# KiCad board Sound_Detection Bullet Shot-v2.kicad_pcb
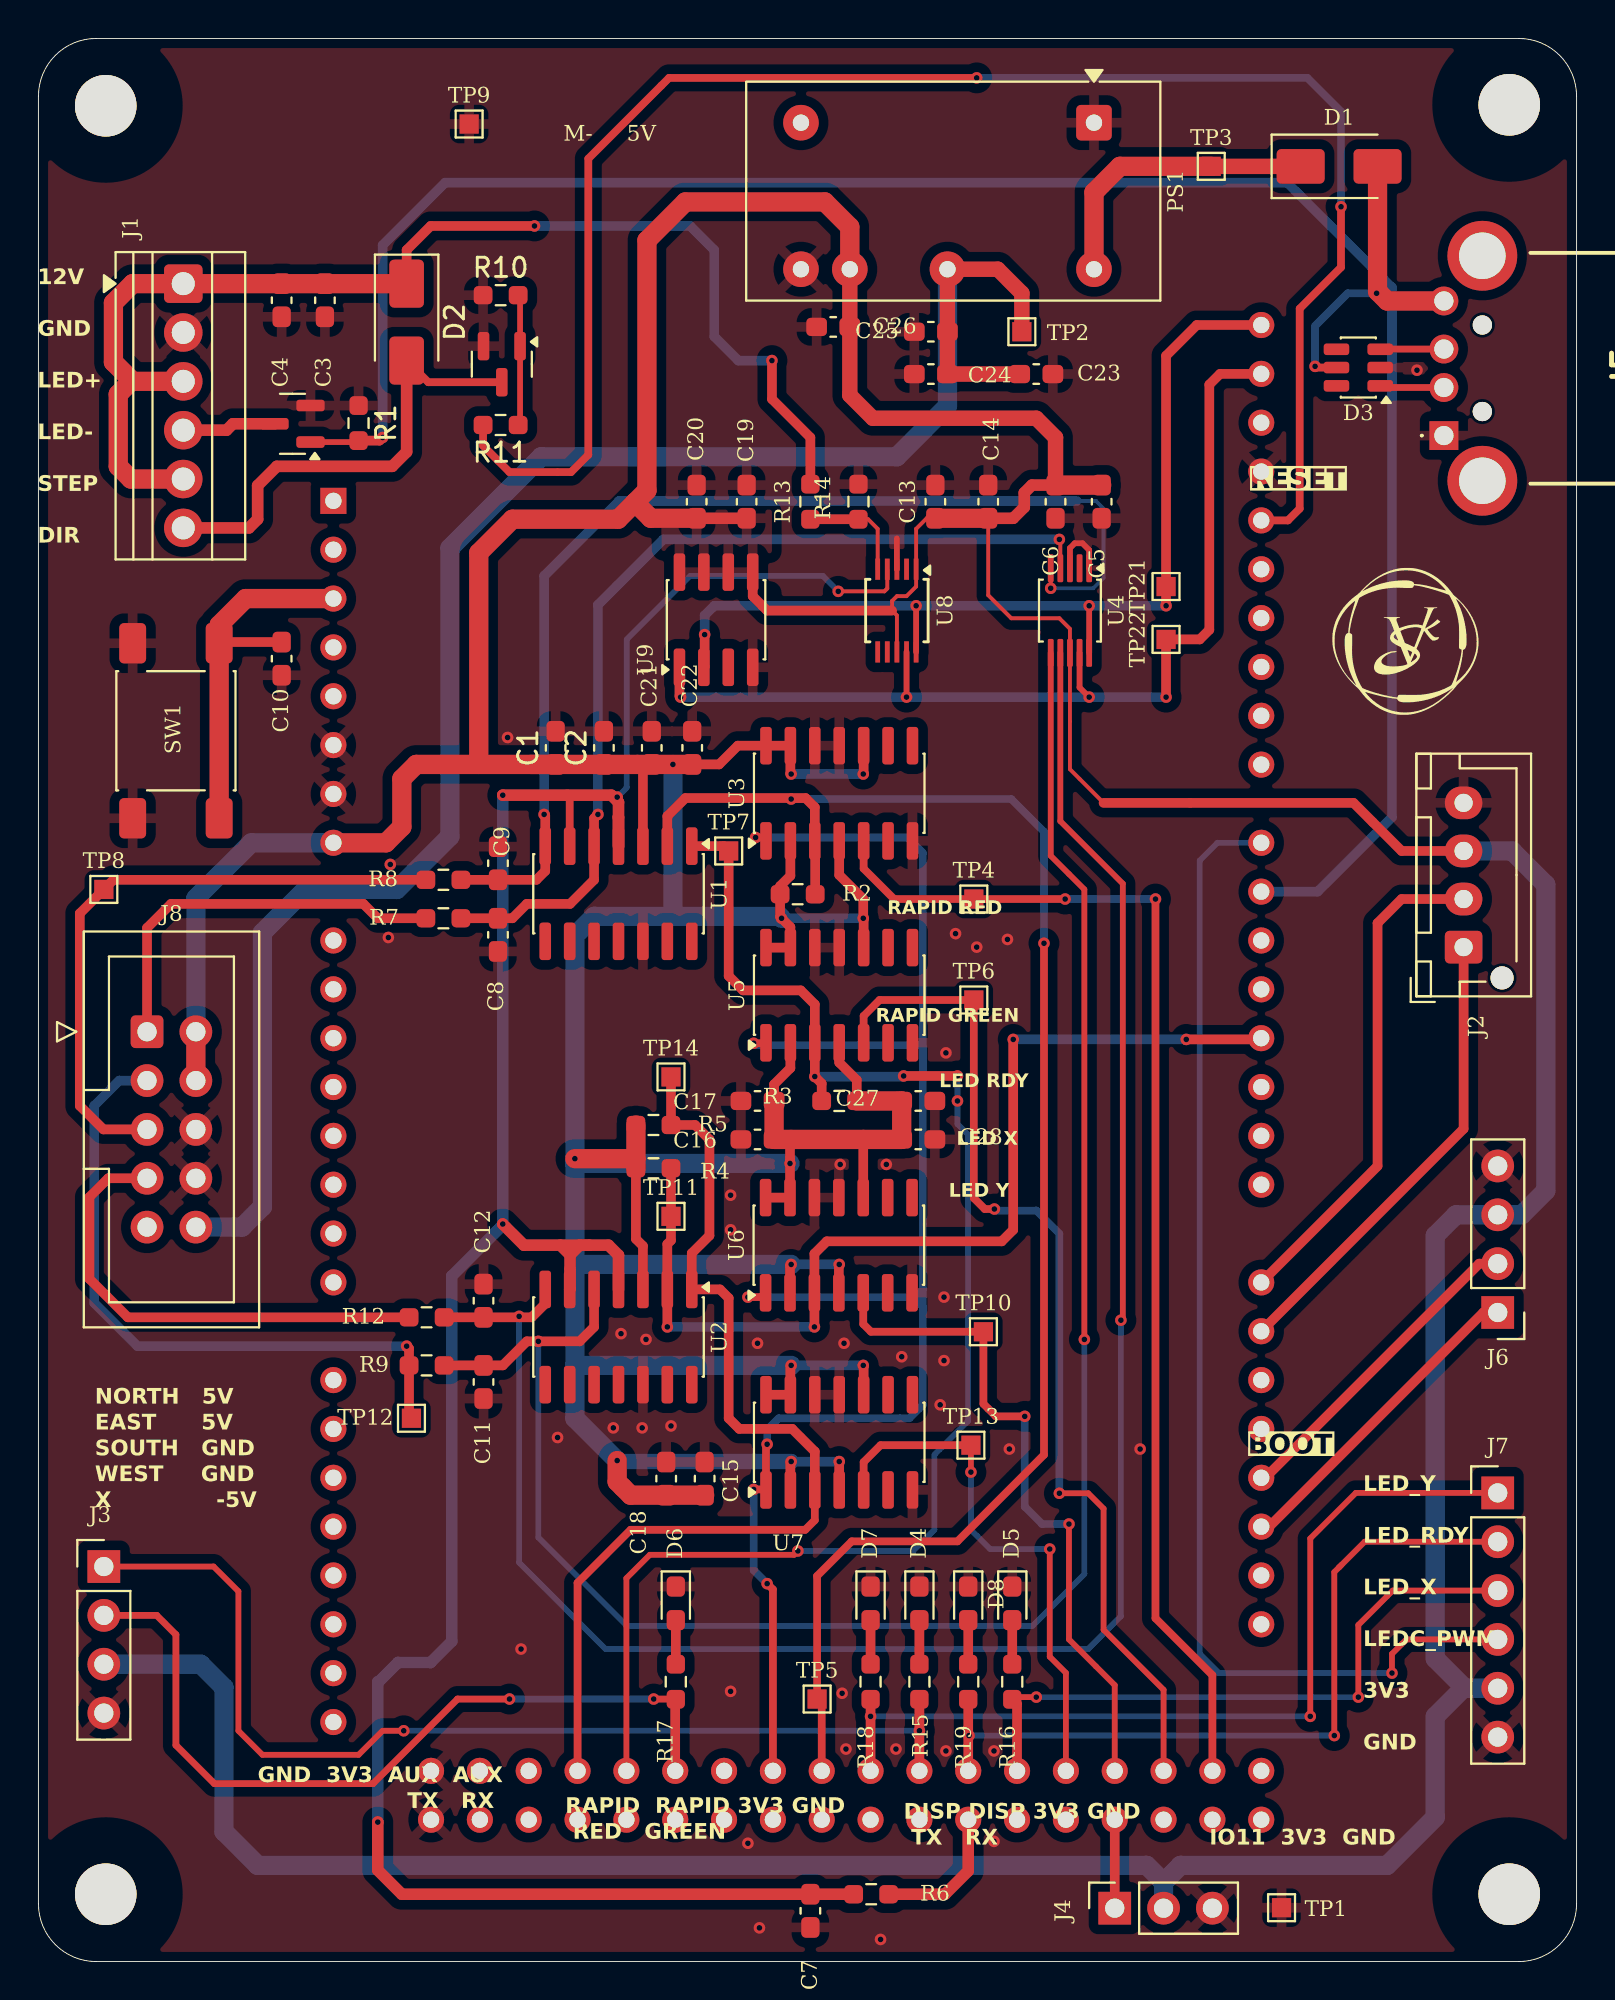
[diagram p0: board, top side]
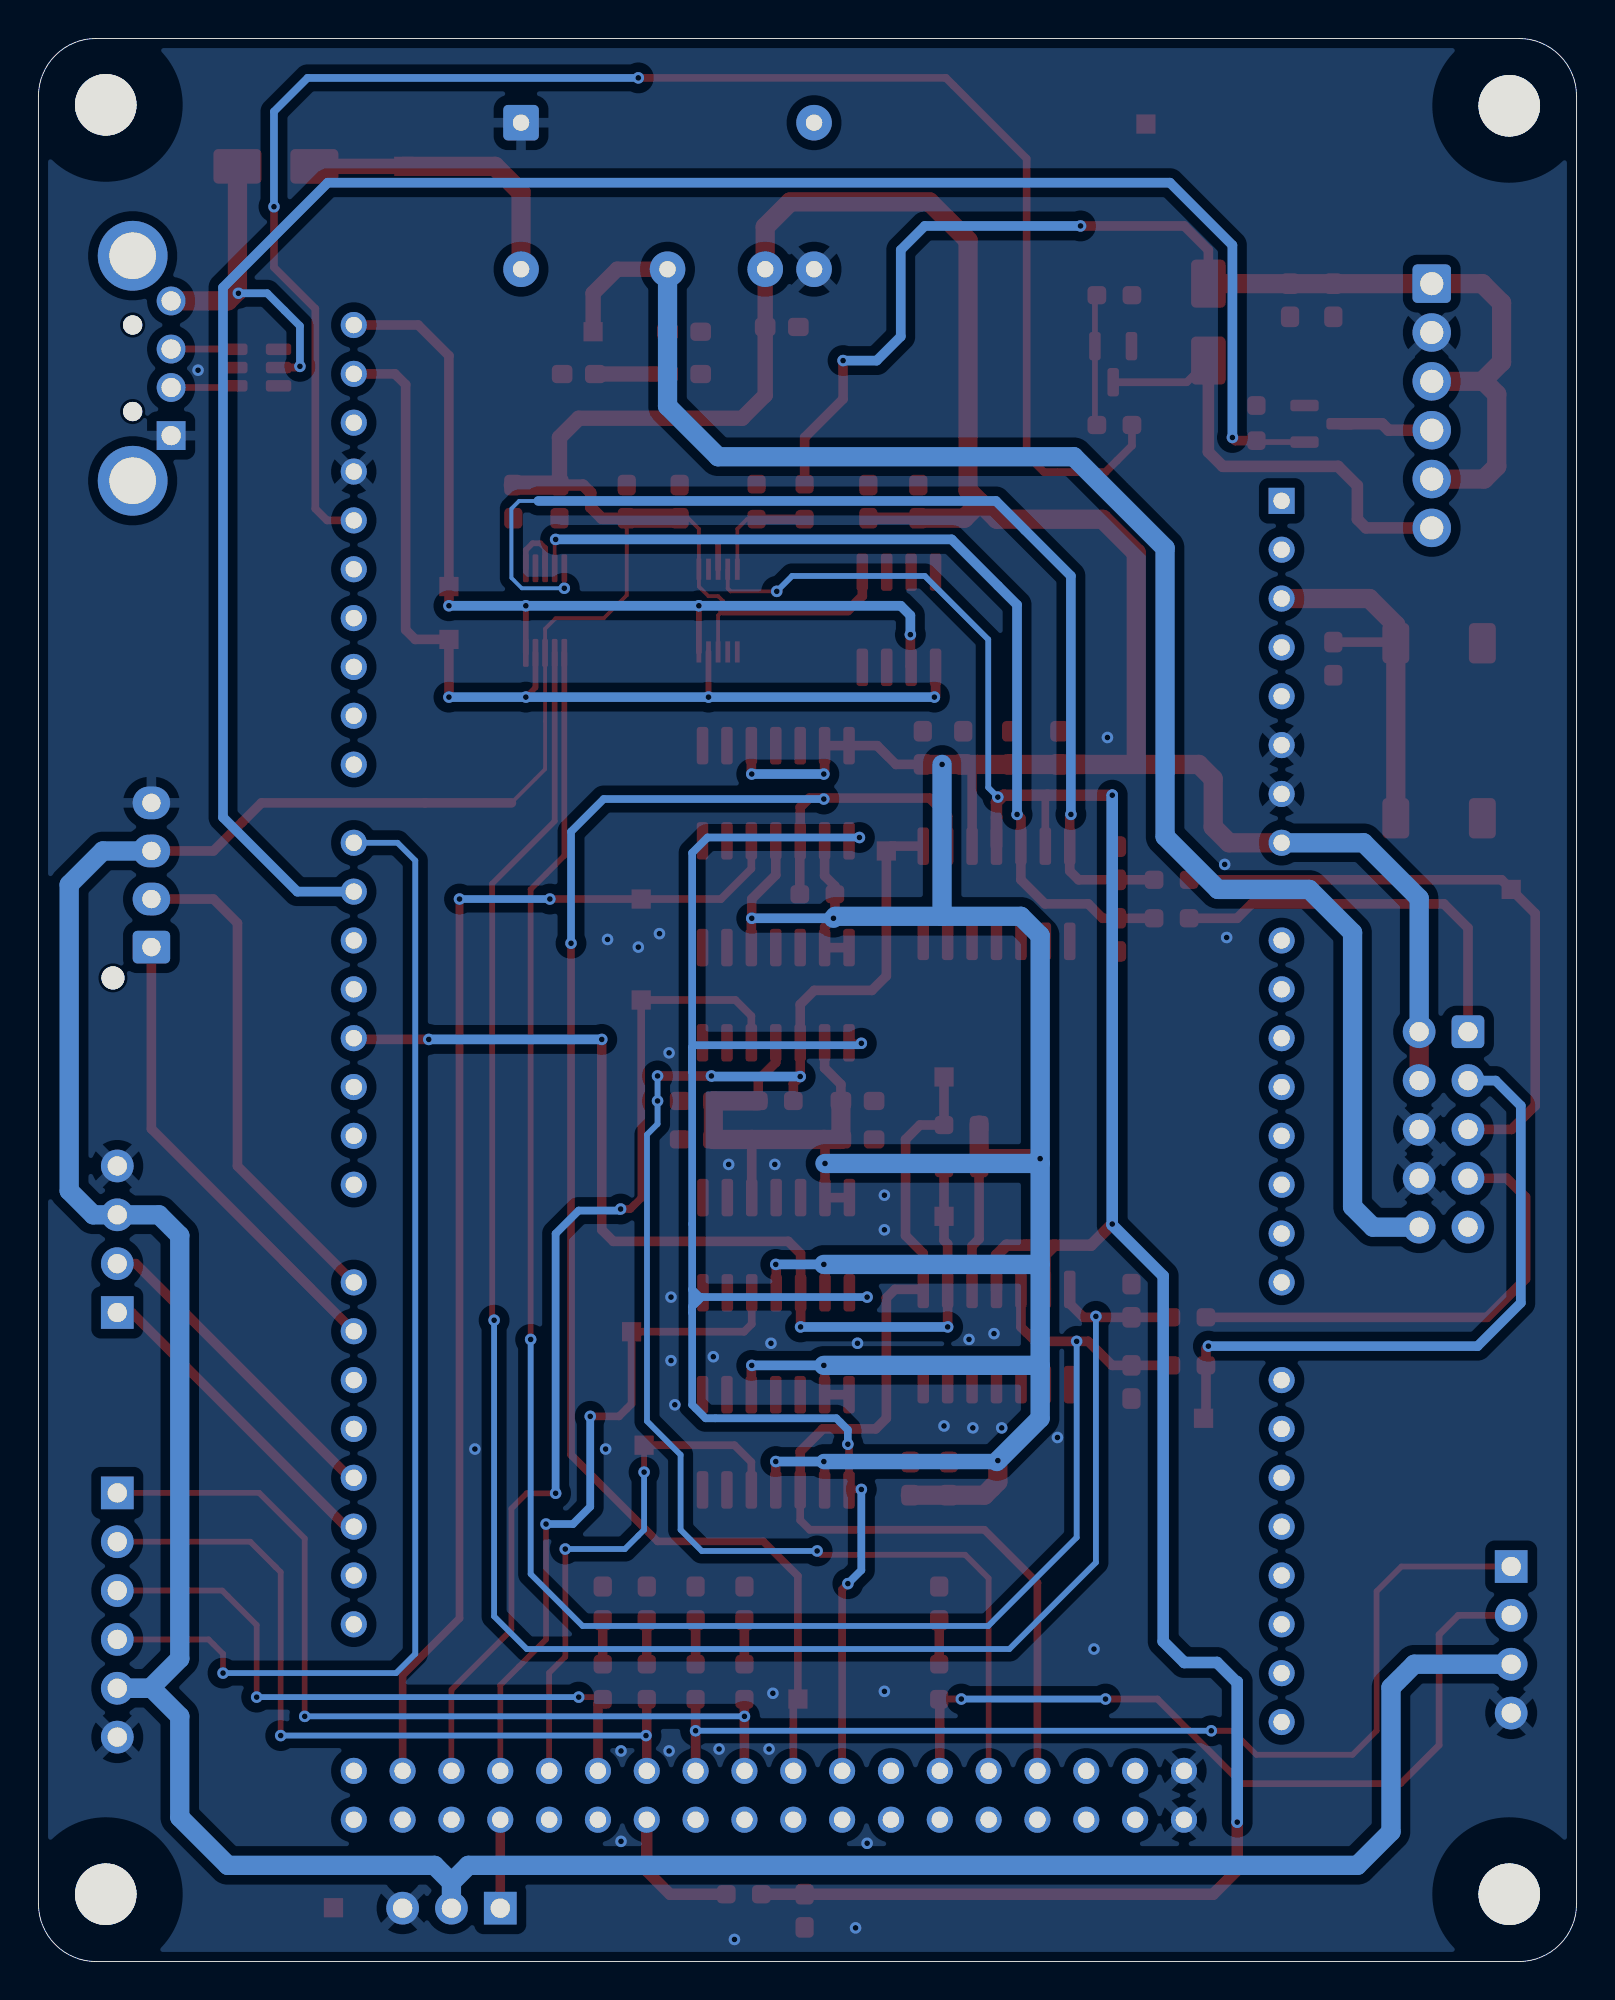
[diagram p1: board, bottom side, seen from below]

Outline 80 x 100 mm; copper layers: Top, Bottom. Coordinates in mm from the lower left corner of the outline.
Outline path: 0,97 arc(0.88,99.12) 3,100 77,100 arc(79.12,99.12) 80,97 80,3 arc(79.12,0.88) 77,0 3,0 arc(0.88,0.88) 0,3 0,97
Stack: Top 0.035mm / dielectric 1.51mm FR4 er 4.5 / Bottom 0.035mm

## Placement (name value [footprint] x y rotation side)
A1  ARDUINO_MEGA_2560_REV3_A000067  [ARDUINO_ARDUINO_MEGA_2560_REV3_A000067]  39.47 53.09 0 top
C1  0.1uf  [C_0603_1608Metric_Pad1.08x0.95mm_HandSolder]  26.9 63.11 90 top
C2  0.1uf  [C_0603_1608Metric_Pad1.08x0.95mm_HandSolder]  29.41 63.11 90 top
C3  10uf  [C_0603_1608Metric_Pad1.08x0.95mm_HandSolder]  14.9 86.39 270 top
C4  0.1uf  [C_0603_1608Metric_Pad1.08x0.95mm_HandSolder]  12.65 86.39 270 top
C5  10uf  [C_0603_1608Metric_Pad1.08x0.95mm_HandSolder]  55.3 75.91 270 top
C6  0.1uf  [C_0603_1608Metric_Pad1.08x0.95mm_HandSolder]  52.9 75.91 270 top
C7  0.1uf  [C_0603_1608Metric_Pad1.08x0.95mm_HandSolder]  40.15 2.64 90 top
C8  0.1uf  [C_0603_1608Metric_Pad1.08x0.95mm_HandSolder]  23.9 53.39 90 top
C9  0.1uf  [C_0603_1608Metric_Pad1.08x0.95mm_HandSolder]  23.9 57.11 270 top
C10  0.1uf  [C_0603_1608Metric_Pad1.08x0.95mm_HandSolder]  12.65 67.75 270 top
C11  0.1uf  [C_0603_1608Metric_Pad1.08x0.95mm_HandSolder]  23.15 30.14 90 top
C12  0.1uf  [C_0603_1608Metric_Pad1.08x0.95mm_HandSolder]  23.15 34.36 270 top
C13  10uf  [C_0603_1608Metric_Pad1.08x0.95mm_HandSolder]  46.65 75.91 90 top
C14  0.1uf  [C_0603_1608Metric_Pad1.08x0.95mm_HandSolder]  49.4 75.91 90 top
C15  0.1uf  [C_0603_1608Metric_Pad1.08x0.95mm_HandSolder]  34.65 25.11 90 top
C16  0.1uf  [C_0603_1608Metric_Pad1.08x0.95mm_HandSolder]  37.4 42.75 180 top
C17  0.1uf  [C_0603_1608Metric_Pad1.08x0.95mm_HandSolder]  37.4 44.75 180 top
C18  0.1uf  [C_0603_1608Metric_Pad1.08x0.95mm_HandSolder]  32.65 25.11 90 top
C19  10uf  [C_0603_1608Metric_Pad1.08x0.95mm_HandSolder]  36.84 75.91 90 top
C20  0.1uf  [C_0603_1608Metric_Pad1.08x0.95mm_HandSolder]  34.23 75.91 90 top
C21  0.1uf  [C_0603_1608Metric_Pad1.08x0.95mm_HandSolder]  31.9 63.11 90 top
C22  0.1uf  [C_0603_1608Metric_Pad1.08x0.95mm_HandSolder]  34 63.11 90 top
C23  0.1uf  [C_0603_1608Metric_Pad1.08x0.95mm_HandSolder]  51.9 82.55 0 top
C24  0.1uf  [C_0603_1608Metric_Pad1.08x0.95mm_HandSolder]  46.42 82.55 180 top
C25  10uf  [C_0603_1608Metric_Pad1.08x0.95mm_HandSolder]  46.42 84.75 0 top
C26  10uf  [C_0603_1608Metric_Pad1.08x0.95mm_HandSolder]  41.34 85 0 top
C27  0.1uf  [C_0603_1608Metric_Pad1.08x0.95mm_HandSolder]  45.76 44.75 0 top
C28  0.1uf  [C_0603_1608Metric_Pad1.08x0.95mm_HandSolder]  45.76 42.75 0 top
D1  SS14  [D_SMA]  67.65 93.35 0 top
D2  SS14  [D_SMA]  19.15 85.25 270 top
D3  SRV05-4  [TSOT-23-6]  68.65 82.89 180 top
D4  RED_LED  [LED_0603_1608Metric_Pad1.05x0.95mm_HandSolder]  45.82 18.62 270 top
D5  WHITE_LED  [LED_0603_1608Metric_Pad1.05x0.95mm_HandSolder]  50.65 18.62 270 top
D6  GREEN_LED  [LED_0603_1608Metric_Pad1.05x0.95mm_HandSolder]  33.15 18.62 270 top
D7  RED_LED  [LED_0603_1608Metric_Pad1.05x0.95mm_HandSolder]  43.28 18.62 270 top
D8  GREEN_LED  [LED_0603_1608Metric_Pad1.05x0.95mm_HandSolder]  48.36 18.62 270 top
G***  -  [LOGO]  71.1 68.75 0 top
H1  MountingHole  [MountingHole_3.2mm_M3]  3.5 96.5 0 top
H2  MountingHole  [MountingHole_3.2mm_M3]  76.5 96.55 0 top
H3  MountingHole  [MountingHole_3.2mm_M3]  3.5 3.5 0 top
H4  MountingHole  [MountingHole_3.2mm_M3]  76.5 3.5 0 top
J1  Conn_01x06_Socket  [TerminalBlock_Xinya_XY308-2.54-6P_1x06_P2.54mm_Horizontal]  7.53 87.25 270 top
J2  Conn_01x04_Socket  [JST_XH_B4B-XH-AM_1x04_P2.50mm_Vertical]  74.12 52.75 90 top
J3  Conn_01x04_Socket  [PinHeader_1x04_P2.54mm_Vertical]  3.4 20.54 0 top
J4  Conn_01x03_Socket  [PinSocket_1x03_P2.54mm_Vertical]  55.98 2.78 90 top
J5  UP2-AH-4-TH  [UP2AH4TH]  73.1 79.35 90 top
J6  Conn_01x04_Socket  [PinHeader_1x04_P2.54mm_Vertical]  75.9 33.75 180 top
J7  Conn_01x06_Socket  [PinHeader_1x06_P2.54mm_Vertical]  75.9 24.37 0 top
J8  Conn_02x05_Top_Bottom  [IDC-Header_2x05_P2.54mm_Vertical]  5.65 48.35 0 top
PS1  IA0505D  [Converter_DCDC_XP_POWER-IAxxxxD_THT]  54.9 95.62 270 top
Q1  AO3400  [SOT-23]  13.21 79.96 180 top
Q2  AO3400  [SOT-23]  24.1 83.06 270 top
R1  10K  [R_0603_1608Metric_Pad0.98x0.95mm_HandSolder]  16.65 80 270 top
R2  10k  [R_0603_1608Metric_Pad0.98x0.95mm_HandSolder]  39.49 55.5 180 top
R3  10k  [R_0603_1608Metric_Pad0.98x0.95mm_HandSolder]  41.65 44.75 0 top
R4  10k  [R_0603_1608Metric_Pad0.98x0.95mm_HandSolder]  31.99 41.25 180 top
R5  10k  [R_0603_1608Metric_Pad0.98x0.95mm_HandSolder]  31.99 43.5 180 top
R6  10k  [R_0603_1608Metric_Pad0.98x0.95mm_HandSolder]  43.31 3.5 180 top
R7  10k  [R_0603_1608Metric_Pad0.98x0.95mm_HandSolder]  21.06 54.25 0 top
R8  10k  [R_0603_1608Metric_Pad0.98x0.95mm_HandSolder]  21.06 56.25 0 top
R9  10k  [R_0603_1608Metric_Pad0.98x0.95mm_HandSolder]  20.19 31 0 top
R10  10K  [R_0603_1608Metric_Pad0.98x0.95mm_HandSolder]  24.04 86.65 0 top
R11  1K  [R_0603_1608Metric_Pad0.98x0.95mm_HandSolder]  24.04 79.9 180 top
R12  10k  [R_0603_1608Metric_Pad0.98x0.95mm_HandSolder]  20.19 33.5 0 top
R13  10K  [R_0603_1608Metric_Pad0.98x0.95mm_HandSolder]  40.15 75.91 90 top
R14  2K2  [R_0603_1608Metric_Pad0.98x0.95mm_HandSolder]  42.65 75.91 270 top
R15  330R  [R_0603_1608Metric_Pad0.98x0.95mm_HandSolder]  45.82 14.55 270 top
R16  330R  [R_0603_1608Metric_Pad0.98x0.95mm_HandSolder]  50.65 14.55 270 top
R17  330R  [R_0603_1608Metric_Pad0.98x0.95mm_HandSolder]  33.15 14.55 270 top
R18  330R  [R_0603_1608Metric_Pad0.98x0.95mm_HandSolder]  43.28 14.55 270 top
R19  330R  [R_0603_1608Metric_Pad0.98x0.95mm_HandSolder]  48.36 14.55 270 top
SW1  RESET  [SW_Push_1P1T_NO_E-Switch_TL3301NxxxxxG]  7.15 64 90 top
TP1  5V  [TestPoint_Pad_1.0x1.0mm]  64.66 2.8 0 top
TP2  5V  [TestPoint_Pad_1.0x1.0mm]  51.15 84.75 0 top
TP3  USB_5V  [TestPoint_Pad_1.0x1.0mm]  61 93.35 0 top
TP4  5V  [TestPoint_Pad_1.0x1.0mm]  48.65 55.25 0 top
TP5  5V  [TestPoint_Pad_1.0x1.0mm]  40.5 13.65 0 top
TP6  5V  [TestPoint_Pad_1.0x1.0mm]  48.65 50 0 top
TP7  5V  [TestPoint_Pad_1.0x1.0mm]  35.9 57.75 0 top
TP8  5V  [TestPoint_Pad_1.0x1.0mm]  3.4 55.75 0 top
TP9  5V  [TestPoint_Pad_1.0x1.0mm]  22.4 95.55 0 top
TP10  5V  [TestPoint_Pad_1.0x1.0mm]  49.15 32.75 0 top
TP11  5V  [TestPoint_Pad_1.0x1.0mm]  32.9 38.75 0 top
TP12  5V  [TestPoint_Pad_1.0x1.0mm]  19.4 28.25 0 top
TP13  5V  [TestPoint_Pad_1.0x1.0mm]  48.5 26.85 0 top
TP14  5V  [TestPoint_Pad_1.0x1.0mm]  32.9 46 0 top
TP21  5V  [TestPoint_Pad_1.0x1.0mm]  58.65 71.5 90 top
TP22  5V  [TestPoint_Pad_1.0x1.0mm]  58.65 68.75 90 top
U1  LM339  [SOIC-14_3.9x8.7mm_P1.27mm]  30.17 55.52 270 top
U2  LM339  [SOIC-14_3.9x8.7mm_P1.27mm]  30.17 32.47 270 top
U3  74HC74  [SOIC-14_3.9x8.7mm_P1.27mm]  41.65 60.75 90 top
U4  ADS1115IDGS  [VSSOP-10_3x3mm_P0.5mm]  53.65 70.25 270 top
U5  74HC74  [SOIC-14_3.9x8.7mm_P1.27mm]  41.65 50.25 90 top
U6  74HC74  [SOIC-14_3.9x8.7mm_P1.27mm]  41.63 37.25 90 top
U7  74HC74  [SOIC-14_3.9x8.7mm_P1.27mm]  41.65 27 90 top
U8  ADS1115IDGS  [TSSOP-10_3x3mm_P0.5mm]  44.65 70.25 270 top
U9  LM75B  [SOIC-8_3.9x4.9mm_P1.27mm]  35.24 69.78 90 top

## Library data of the parts
A1 = -: MF: Arduino; Description_1: ATmega2560 Arduino Mega2560 AVR® ATmega AVR MCU 8-Bit Embedded Evaluation Board; Package: Non-Standard Arduino; Price: None; Check_prices: https://www.snapeda.com/parts/ARDUINO%20MEGA%202560%20REV3%20%7C%20A000067/Arduino/view-part/?ref=eda; STANDARD: Manufacturer Recommendations; PARTREV: 3; SnapEDA_Link: https://www.snapeda.com/parts/ARDUINO%20MEGA%202560%20REV3%20%7C%20A000067/Arduino/view-part/?ref=snap; MP: ARDUINO MEGA 2560 REV3 | A000067; MANUFACTURER: Arduino; Availability: Not in stock; SNAPEDA_PN: ARDUINO MEGA 2560 REV3 | A000067
C1 C15 C17 C21 C23 C27 = -: Description: Unpolarized capacitor; Vendors: https://www.google.com/aclk?sa=L&ai=DChsSEwj1-9DAsNmTAxW1qGYCHVt0NP0YACICCAEQCBoCc20&co=1&ase=2&gclid=Cj0KCQjws83OBhD4ARIsACblj1_hh_-vGObAqvuWDzlVjQQw3zLoIXcmNPIpVIyb4ZkHZWxp8X4mP_MaApiREALw_wcB&cid=CAAS9QHkaBPLeDWVndMUPqgorIq3apT8hn-5CuYOUOVSeL_PVCuQmxgW83xLRe8pR8Q7KYbpiy0Uri3Wz0LBI1fUkwag3DRuaGH19GcTzjwJTXFOY6HPqbX0qYy3AzTunbusMqRHSFlYHyR6XdfgzU0pi9kIc5Roc_L3c7MIe8Lo3wo5sJ0B7Xcokn0_oQiK0a8FEEIybXLw_X-pqwM85xf5de8W6F60b51y7EI695DrCPM204_lWqCx_d6FRdqIKiKYXVVUbEiS21buv9XXmtc09xSC86t6oYTX3JG7lyKa-5LnMNQ1beBFLZFMzkboPS_uWY8zuva0Iw&cce=2&category=acrcp_v1_32&sig=AOD64_3tV5aL4-GbcA-qSlLuyI0wbCgMhg&ctype=5&q=&nis=4&ved=2ahUKEwirp8LAsNmTAxXd1zgGHWk7A54Q5bgDKAB6BAgJEBo&adurl=; ki_fp_filters: C_*
C2 C4 C6 C10 C14 C16 C18 C20 C22 C24 C28 = -: Description: Unpolarized capacitor; Vendors: https://robu.in/product/0-1uf-capacitor-smdc-0603/; ki_fp_filters: C_*
C3 C5 C13 C19 C25 C26 = -: Description: Unpolarized capacitor; Vendors: https://www.google.com/aclk?sa=L&ai=DChsSEwj1-9DAsNmTAxW1qGYCHVt0NP0YACICCAEQCRoCc20&co=1&ase=2&gclid=Cj0KCQjws83OBhD4ARIsACblj1-bpLqs6bvNNkZthVspH292A_In_p40kxXNOqTt3wRWbqJOH_7rNygaAs5DEALw_wcB&cid=CAAS9QHkaBPLeDWVndMUPqgorIq3apT8hn-5CuYOUOVSeL_PVCuQmxgW83xLRe8pR8Q7KYbpiy0Uri3Wz0LBI1fUkwag3DRuaGH19GcTzjwJTXFOY6HPqbX0qYy3AzTunbusMqRHSFlYHyR6XdfgzU0pi9kIc5Roc_L3c7MIe8Lo3wo5sJ0B7Xcokn0_oQiK0a8FEEIybXLw_X-pqwM85xf5de8W6F60b51y7EI695DrCPM204_lWqCx_d6FRdqIKiKYXVVUbEiS21buv9XXmtc09xSC86t6oYTX3JG7lyKa-5LnMNQ1beBFLZFMzkboPS_uWY8zuva0Iw&cce=2&category=acrcp_v1_32&sig=AOD64_206f7Ib6kjTm4eJ9tGIPqtH1bgoQ&ctype=5&q=&nis=4&ved=2ahUKEwirp8LAsNmTAxXd1zgGHWk7A54Q5bgDKAB6BAgJEBA&adurl=; ki_fp_filters: C_*
C7-C9 C11 C12 = -: Description: Unpolarized capacitor; Vendors: https://robu.in/product/tcc0603x7r103m500ct-cctc-smt-ceramic-capacitors-0603-x7r-103m10nf%C2%B120-rated-voltage50v-thickness0-80mm-tape/?gad_source=1&gad_campaignid=17427802703&gbraid=0AAAAADvLFWf-PRMRiFDA3RBzSYiPn-luu&gclid=Cj0KCQjws83OBhD4ARIsACblj181E6E8N5HeDQvLKIXSkIxan8RrA4yvkxQ8BdnWEzPK-HX8Y3BYtaoaAmHMEALw_wcB; ki_fp_filters: C_*
D1 D2 = -: Datasheet: https://www.tme.eu/Document/39e1c2d2c354f63d74e9a2edb2156b4b/SS14-E3_61T.pdf; Description: SMA Schottky diode, 40V, 1A, Alternate KiCAD Library; Vendors: https://robu.in/product/ss14-slkor-40v-550mv1a-1a-smado-214ac-schottky-diodes-rohs/; ki_fp_filters: TO-???* *_Diode_* *SingleDiode* D_*
D3 = -: Datasheet: https://www.tme.eu/Document/92be68a8ae546e7ce666ecbdb0470493/SRV05-4.pdf; Description: SOT-23-6 TVS Diode Array, 4 protected lines, 5V, 300W, Alternate KiCAD Library; Vendors: https://robu.in/product/srv05-4-slkor-150w-6v-unidirectional-5v-sot-23-6l-esd-and-surge-protection-tvs-esd-rohs/; ki_fp_filters: TO-???* *_Diode_* *SingleDiode* D_*
D4 D7 = -: Description: Light emitting diode; Sim.Pins: 1=K 2=A; Vendors: https://www.google.com/aclk?sa=L&ai=DChsSEwiBjM-3r9mTAxU3omYCHVtnDxYYACICCAEQCRoCc20&co=1&ase=2&gclid=Cj0KCQjws83OBhD4ARIsACblj1-rejOzgHP9dlQqqfia2h0DDIs2pUsuOfakyEV5E6gwfJS85yn2q60aApMxEALw_wcB&cid=CAAS0gHkaG1TZVhahYIwROYRfGTH0XJs2KE54sSIIvlsUi7Rcm1-Z4DunegO3HWBqBqlRVvwVfi0MyjJGtMA-vj2mtWeTxR3GmbMR9iW8gl5kBBIulsszBD35AwVoX1TwI0wajIdg_rQftSELpYeEWOuuP4FjlIARvkx-KLYz47qjgpnNQpFLRzkctrWrCvDAym9HsKbfuuvh3W3nHq497e8o17Pcz1aJ9oXSYohCTQfrpM0ekUH-7JTeW9fwWAXujxj7r8KwTIY_E0G2FE8UytwTqZUX3Q&cce=2&category=acrcp_v1_32&sig=AOD64_0yS8YO2_x4E9I030EEcBi5f3T5VQ&ctype=5&q=&nis=4&ved=2ahUKEwiDwMK3r9mTAxVEwjgGHVucJ4oQ5bgDKAB6BAgNEBU&adurl=; ki_fp_filters: LED* LED_SMD:* LED_THT:*
D5 = -: Description: Light emitting diode; Sim.Pins: 1=K 2=A; Vendors: https://www.google.com/aclk?sa=L&ai=DChsSEwjmwfSQsNmTAxUQMIMDHVVuMZEYACICCAEQDBoCc2Y&co=1&ase=2&gclid=Cj0KCQjws83OBhD4ARIsACblj1_R5f8bz8fhSWPcymwndUqlxZGb7KixaSUnaI6JC5LYH7IV2-dqAPgaAhAnEALw_wcB&cid=CAAS9QHkaJ4HM7O6aAqhdtAcyHuba44LNLt6CzGBm_dQ3QSun1QlgyRgf0Wf2hOYC31i-HmR5ULgpZEToNMTTcs-0ILfnGzEnJr-cfycDCu2w2oa-yALAKxHZB-GilEMJ61ADrvPKM0F1HDoFtZzR0zNxYKVeKPuDR5PzZLYu_Axa7o4qrMdgzCv1NcQPFKcP6Hpoxl1FyJmjgRH40Q_oXLdm5f1t3oT1BsaKQrM-Fn9H6DUuARSYlrnSLJlPHkNXcjy8gx2yNoyNIYf3lljCqPEPHLHDpDikYq3lOAiJ7WJU-B-8XXNFVBBDsIu9r3zhFg0CPyDthb03A&cce=2&category=acrcp_v1_32&sig=AOD64_1E0Jxs3C2WsILbugTHmhl54-JBGg&ctype=5&q=&nis=4&ved=2ahUKEwiz2OmQsNmTAxXjzjgGHe87GLkQ5bgDKAB6BAgHEB8&adurl=; ki_fp_filters: LED* LED_SMD:* LED_THT:*
D6 D8 = -: Description: Light emitting diode; Sim.Pins: 1=K 2=A; Vendors: https://www.google.com/aclk?sa=L&ai=DChsSEwjU4ofor9mTAxUIkmYCHXTWCCMYACICCAEQDRoCc20&co=1&ase=2&gclid=Cj0KCQjws83OBhD4ARIsACblj19pznB-cp1r4JjDgPG91sdOe2CXI4vMXEzlSCYNdZZmTXQm1TThL50aAuCXEALw_wcB&cid=CAAS9QHkaMf0SgUhV2yTDYWs5VGG0SB5Uu_4sVjsQRFpDafAhuCEEe7ap5Dtwt5aeqVK8u39UWAlz9ZCfOmCmw0jutbkmaV418hU8BMP0Gb8eoMGK5IaiMkjtDVUsQYwxx3JkfRXd3b1ZwdJqXb3D8ozBrmmUhD4vV7XIjRVYE2lcXPmLrp18q82lW2J5hBr4tNqsOrLnJ_YatunNt2LmPsM0hdMBsj94e1wIDsDZpZCy-1KrNj2JEVOMV6PLPM0g4yAAlmOch7560iNArEmx5zQQXXdS1dV1q9o3CtOUxh6zIB7EYmKrdELqeYWJMcT_SrajKVr0pUwgA&cce=2&category=acrcp_v1_32&sig=AOD64_14ichpB1u4qCtyuzAPlgFzo3D8rA&ctype=5&q=&nis=4&ved=2ahUKEwi-gfnnr9mTAxVrnmMGHe7CBH8Q5bgDKAB6BAgHEAs&adurl=; ki_fp_filters: LED* LED_SMD:* LED_THT:*
H1-H4 = -: Description: Mounting Hole without connection; ki_fp_filters: MountingHole*
J1 = -: Description: Generic connector, single row, 01x06, script generated; Vendors: https://sharvielectronics.com/product/rs120-2-54-6-pin-screw-terminal-block-2-54mm-pitch/?srsltid=AfmBOooM1LLEITDcN2c9fo-K0MGwfWxEmqQlX0rZKMwLLLhHsnl7BMCe; ki_fp_filters: Connector*:*_1x??_*